# Altium PCB PCB5.PcbDoc (part 8 of 16)
Units mil, origin at the board's own origin, x right, y up, seen from the top; angles counter-clockwise.
Board outline 9210.27 x 4350.4 mil, 4 copper layers (Top Layer, Layer 1, Layer 2, Bottom Layer), stack 23.756 mil thick; 1550 components, 1731 nets, 5196 pads, 1890 vias.
Unrouted connection lines stored in the file: 2462.
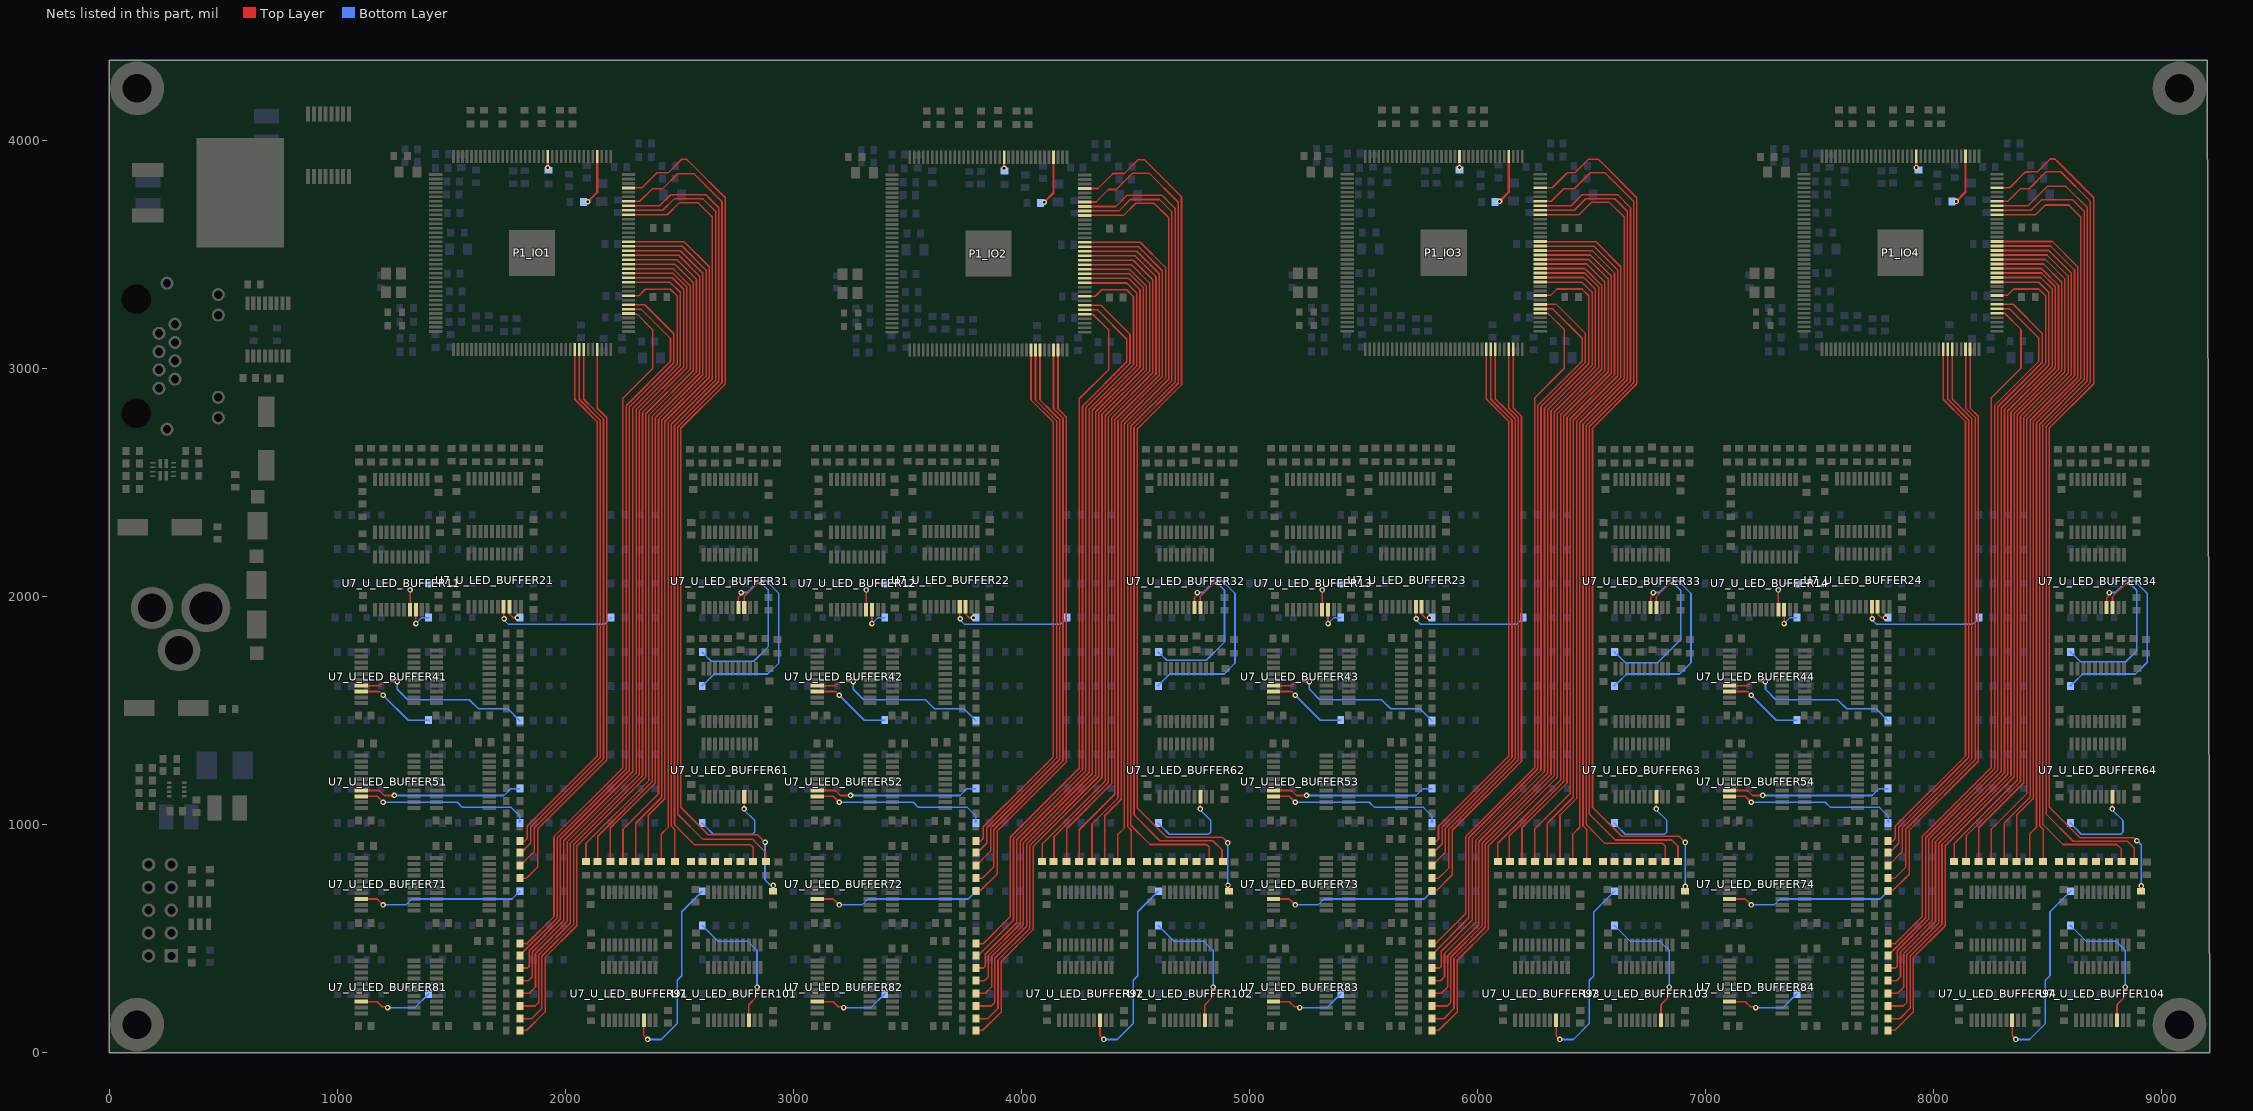
[diagram p10: the nets of this part, all layers, seen from the top]

## Via types
v1: diameter 24, hole 12, Top Layer to Bottom Layer, tented both sides, 1882 vias
v2: diameter 24, hole 12, Top Layer to Bottom Layer, 8 vias

## Nets (pads, with @x,y where several pads share a name; then routed paths per layer and width w, separated by ;. In a path a pad name is that pad's centre, name@x,y a point inside that pad or via, vN(x,y) a via of type N, cw(c..) or ccw(c..) an arc to the next point about the centre after c; other vN are vias at no path point) (continued)
GPIO_51_IO2: P1_IO2.70 R50_U_LED_BUFFER72.2 | length 2561.7
  Top Layer w7: R50_U_LED_BUFFER72.2@3800.63,709.39 3802.35,711.1 3822.03,711.1 3893.23,782.3 3893.23,970.8 4196.3,1273.86 4196.3,1419.94 4196.3,2173.67 4196.3,2786.8 4160.32,2822.78 P1_IO2.70@4160.32,3080.75
GPIO_51_IO3: P1_IO3.70 R50_U_LED_BUFFER73.2 | length 2563.9
  Top Layer w7: R50_U_LED_BUFFER73.2@5800.63,709.39 5802.35,711.1 5822.03,711.1 5889.96,779.03 5889.96,974.07 6193.2,1277.31 6193.2,1423.39 6193.2,2177.12 6193.2,2790.25 6157.22,2826.23 P1_IO3.70@6157.22,3084.2
GPIO_51_IO4: P1_IO4.70 R50_U_LED_BUFFER74.2 | length 2563.8
  Top Layer w7: R50_U_LED_BUFFER74.2@7800.63,709.39 7802.35,711.1 7822.03,711.1 7893.23,782.3 7893.23,974.5 ; 7894.23,975.5 8196.2,1277.46 8196.2,1423.54 8196.2,2177.27 8196.2,2790.4 8160.22,2826.38 P1_IO4.70@8160.22,3084.35
GPIO_52_IO1: P1_IO1.69 R51_U_LED_BUFFER71.2 | length 2510.8
  Top Layer w7: R51_U_LED_BUFFER71.2@1800.63,764.94 1830.51,764.94 1878.94,813.37 1878.94,980.01 2154.87,1255.94 ; P1_IO1.69@2139.53,3083.35 2139.53,2825.26 2154.87,2809.92 2181.2,2783.6 2181.2,2170.47 2181.2,1429.51 2181.2,1428.34 2181.2,1282.26 2154.87,1255.94
GPIO_52_IO2: P1_IO2.69 R51_U_LED_BUFFER72.2 | length 2508.7
  Top Layer w7: R51_U_LED_BUFFER72.2@3800.63,764.94 3830.51,764.94 3878.94,813.37 3878.94,976.31 4155.97,1253.34 ; P1_IO2.69@4140.63,3080.75 4140.63,2822.66 4155.97,2807.32 4182.3,2781 4182.3,2167.87 4182.3,1426.91 4182.3,1425.74 4182.3,1279.66 4155.97,1253.34
GPIO_52_IO3: P1_IO3.69 R51_U_LED_BUFFER73.2 | length 2510.8
  Top Layer w7: R51_U_LED_BUFFER73.2@5800.63,764.94 5830.51,764.94 5874.87,809.31 5874.87,978.79 6152.87,1256.79 6179.2,1283.11 6179.2,1429.18 6179.2,1430.36 6179.2,2171.32 6179.2,2784.45 6152.87,2810.77 6137.53,2826.11 P1_IO3.69@6137.53,3084.2
GPIO_52_IO4: P1_IO4.69 R51_U_LED_BUFFER74.2 | length 2510.8
  Top Layer w7: R51_U_LED_BUFFER74.2@7800.63,764.94 7830.51,764.94 7878.94,813.37 7878.94,980.01 ; 7879.94,981.01 8155.87,1256.94 ; P1_IO4.69@8140.53,3084.35 8140.53,2826.26 8155.87,2810.92 8182.2,2784.6 8182.2,2171.47 8182.2,1430.51 8182.2,1429.34 8182.2,1283.26 8155.87,1256.94
GPIO_53_IO1: P1_IO1.66 R52_U_LED_BUFFER71.2 | length 2451.5
  Top Layer w7: R52_U_LED_BUFFER71.2@1800.63,820.5 1802.07,820.5 1863.22,881.66 1863.22,984.09 2167.2,1288.06 2167.2,1434.13 2167.2,1435.31 2167.2,2164.67 2167.2,2755.69 2167.2,2777.8 2125.53,2819.47 2080.48,2864.52 P1_IO1.66@2080.48,3083.35
GPIO_53_IO2: P1_IO2.66 R52_U_LED_BUFFER72.2 | length 2449.3
  Top Layer w7: R52_U_LED_BUFFER72.2@3800.63,820.5 3802.07,820.5 3864.94,883.37 3864.94,982.11 3878.94,996.11 4168.3,1285.46 4168.3,1431.53 4168.3,1432.71 4168.3,2162.07 4168.3,2753.09 4168.3,2775.2 4126.63,2816.86 4081.58,2861.92 P1_IO2.66@4081.58,3080.75
GPIO_53_IO3: P1_IO3.66 R52_U_LED_BUFFER73.2 | length 2451.5
  Top Layer w7: R52_U_LED_BUFFER73.2@5800.63,820.5 5802.07,820.5 5859.38,877.82 5859.38,983.1 6165.2,1288.91 6165.2,1434.98 6165.2,1436.16 6165.2,2165.52 6165.2,2756.54 6165.2,2778.65 6123.53,2820.31 6078.48,2865.37 P1_IO3.66@6078.48,3084.2
GPIO_53_IO4: P1_IO4.66 R52_U_LED_BUFFER74.2 | length 2451.5
  Top Layer w7: R52_U_LED_BUFFER74.2@7800.63,820.5 7802.07,820.5 7863.22,881.66 7863.22,984.09 ; 7864.22,985.09 8168.2,1289.06 8168.2,1435.13 8168.2,1436.31 8168.2,2165.67 8168.2,2756.69 8168.2,2778.8 8126.53,2820.47 8081.48,2865.52 P1_IO4.66@8081.48,3084.35
GPIO_54_IO1: P1_IO1.65 R53_U_LED_BUFFER71.2 | length 2395
  Top Layer w7: R53_U_LED_BUFFER71.2@1800.63,876.05 1806.4,876.05 1847.51,917.16 1847.51,988.17 2153.2,1293.86 2153.2,1439.93 2153.2,1441.11 2153.2,2158.87 2153.2,2772 2060.79,2864.41 P1_IO1.65@2060.79,3083.35
GPIO_54_IO2: P1_IO2.65 R53_U_LED_BUFFER72.2 | length 2392.8
  Top Layer w7: R53_U_LED_BUFFER72.2@3800.63,876.05 3806.4,876.05 3847.51,917.16 3847.51,984.47 4154.3,1291.26 4154.3,1437.33 4154.3,1438.51 4154.3,2156.27 4154.3,2769.4 4061.89,2861.81 P1_IO2.65@4061.89,3080.75
GPIO_54_IO3: P1_IO3.65 R53_U_LED_BUFFER73.2 | length 2395
  Top Layer w7: R53_U_LED_BUFFER73.2@5800.63,876.05 5806.4,876.05 5845.38,915.04 5845.38,988.9 5845.53,989.04 5847.56,991.08 6151.2,1294.71 6151.2,1440.78 6151.2,1441.96 6151.2,2159.72 6151.2,2772.85 6058.79,2865.26 P1_IO3.65@6058.79,3084.2
GPIO_54_IO4: P1_IO4.65 R53_U_LED_BUFFER74.2 | length 2395
  Top Layer w7: R53_U_LED_BUFFER74.2@7800.63,876.05 7806.4,876.05 7847.51,917.16 7847.51,988.17 ; 7848.51,989.17 8154.2,1294.86 8154.2,1440.93 8154.2,1442.11 8154.2,2159.87 8154.2,2773 8061.79,2865.41 P1_IO4.65@8061.79,3084.35
GPIO_55_IO1: P1_IO1.64 R54_U_LED_BUFFER71.2 | length 2348.8
  Top Layer w7: R54_U_LED_BUFFER71.2@1800.63,927.16 1820.73,927.16 1832.51,938.94 1832.51,992.97 2139.2,1299.66 2139.2,1445.73 2139.2,1446.91 2139.2,2153.07 2139.2,2754.28 2139.2,2766.2 2041.11,2864.29 P1_IO1.64@2041.11,3083.35
GPIO_55_IO2: P1_IO2.64 R54_U_LED_BUFFER72.2 | length 2346.7
  Top Layer w7: R54_U_LED_BUFFER72.2@3800.63,927.16 3820.73,927.16 3833.26,939.69 3833.26,990.02 4042,1198.76 4140.3,1297.06 4140.3,1443.13 4140.3,1444.31 4140.3,2150.47 4140.3,2751.68 4140.3,2763.6 4042.21,2861.69 P1_IO2.64@4042.21,3080.75
GPIO_55_IO3: P1_IO3.64 R54_U_LED_BUFFER73.2 | length 2348.9
  Top Layer w7: R54_U_LED_BUFFER73.2@5800.63,927.16 5820.73,927.16 5829.22,935.65 5829.22,992.53 5834.11,997.43 6137.2,1300.51 6137.2,1446.58 6137.2,1447.76 6137.2,2153.92 6137.2,2755.13 6137.2,2767.05 6039.11,2865.14 P1_IO3.64@6039.11,3084.2
GPIO_55_IO4: P1_IO4.64 R54_U_LED_BUFFER74.2 | length 2348.8
  Top Layer w7: R54_U_LED_BUFFER74.2@7800.63,927.16 7820.73,927.16 7832.51,938.94 7832.51,992.97 ; 7833.51,993.97 8140.2,1300.66 8140.2,1446.73 8140.2,1447.91 8140.2,2154.07 8140.2,2755.28 8140.2,2767.2 8042.11,2865.29 P1_IO4.64@8042.11,3084.35
GPIO_56_IO1: P1_IO1.87 R47_U_LED_BUFFER81.2 | length 3893.4
  Top Layer w7: R47_U_LED_BUFFER81.2@1800.63,97.16 1830.63,97.16 1911.22,177.75 1911.22,416.58 2050.08,555.44 2050.08,905.44 2352.46,1207.81 2352.46,2801.12 2546.97,2995.63 2546.97,3362.96 2478.41,3431.53 2472.73,3437.21 P1_IO1.87@2276.85,3437.21
GPIO_56_IO2: P1_IO2.87 R47_U_LED_BUFFER82.2 | length 3891.2
  Top Layer w7: R47_U_LED_BUFFER82.2@3800.63,97.16 3830.63,97.16 3911.22,177.75 3911.22,399.41 4051.18,539.37 4051.18,902.84 4353.56,1205.21 4353.56,2798.52 4548.07,2993.03 4548.07,3360.36 4479.51,3428.93 4473.83,3434.61 P1_IO2.87@4277.95,3434.61
GPIO_56_IO3: P1_IO3.87 R47_U_LED_BUFFER83.2 | length 3893.4
  Top Layer w7: R47_U_LED_BUFFER83.2@5800.63,97.16 5830.63,97.16 5911.22,177.75 5911.22,404.92 6048.08,541.79 6048.08,906.29 6350.46,1208.66 6350.46,2801.97 6544.97,2996.48 6544.97,3363.81 6476.41,3432.38 6470.73,3438.06 P1_IO3.87@6274.85,3438.06
GPIO_56_IO4: P1_IO4.87 R47_U_LED_BUFFER84.2 | length 3893.4
  Top Layer w7: R47_U_LED_BUFFER84.2@7800.63,97.16 7830.63,97.16 7911.22,177.75 7911.22,416.58 ; 7912.22,417.58 8051.08,556.44 8051.08,906.44 8353.46,1208.81 8353.46,2802.12 8547.97,2996.63 8547.97,3363.96 8479.41,3432.53 8473.73,3438.21 P1_IO4.87@8277.85,3438.21
GPIO_57_IO1: P1_IO1.86 R48_U_LED_BUFFER81.2 | length 3823.3
  Top Layer w7: R48_U_LED_BUFFER81.2@1800.63,148.28 1851.74,148.28 1897.22,193.75 1897.22,422.38 1901.32,426.48 2036.08,561.24 2036.08,911.24 2338.46,1213.61 2338.46,2806.92 2532.97,3001.43 2532.97,3357.16 2472.61,3417.53 P1_IO1.86@2276.85,3417.53
GPIO_57_IO2: P1_IO2.86 R48_U_LED_BUFFER82.2 | length 3821.2
  Top Layer w7: R48_U_LED_BUFFER82.2@3800.63,148.28 3851.74,148.28 3897.22,193.75 3897.22,400.35 3897.22,405.21 4037.18,545.17 4037.18,908.64 4339.56,1211.01 4339.56,2804.32 4534.07,2998.83 4534.07,3354.56 4473.71,3414.93 P1_IO2.86@4277.95,3414.93
GPIO_57_IO3: P1_IO3.86 R48_U_LED_BUFFER83.2 | length 3823.3
  Top Layer w7: R48_U_LED_BUFFER83.2@5800.63,148.28 5851.74,148.28 5897.22,193.75 5897.22,412.38 6034.08,549.24 6034.08,912.09 6336.46,1214.46 6336.46,2807.77 6530.97,3002.28 6530.97,3358.01 6470.61,3418.38 P1_IO3.86@6274.85,3418.38
GPIO_57_IO4: P1_IO4.86 R48_U_LED_BUFFER84.2 | length 3823.3
  Top Layer w7: R48_U_LED_BUFFER84.2@7800.63,148.28 7851.74,148.28 7897.22,193.75 7897.22,422.38 7901.32,426.48 ; 7902.32,427.48 8037.08,562.24 8037.08,912.24 8339.46,1214.61 8339.46,2807.92 8533.97,3002.43 8533.97,3358.16 8473.61,3418.53 P1_IO4.86@8277.85,3418.53
GPIO_58_IO1: P1_IO1.85 R49_U_LED_BUFFER81.2 | length 3743
  Top Layer w7: R49_U_LED_BUFFER81.2@1800.63,203.83 1867.3,203.83 1883.22,219.75 1883.22,428.17 1887.32,432.27 1891.42,436.38 2022.08,567.04 2022.08,917.04 2324.46,1219.41 2324.46,2812.72 2518.97,3007.23 2518.97,3347.16 2468.3,3397.84 P1_IO1.85@2276.85,3397.84
GPIO_58_IO2: P1_IO2.85 R49_U_LED_BUFFER82.2 | length 3740.9
  Top Layer w7: R49_U_LED_BUFFER82.2@3800.63,203.83 3867.3,203.83 3883.22,219.75 3883.22,413.88 4023.18,553.84 4023.18,914.44 4325.56,1216.81 4325.56,2810.12 4520.07,3004.63 4520.07,3344.56 4469.4,3395.24 P1_IO2.85@4277.95,3395.24
GPIO_58_IO3: P1_IO3.85 R49_U_LED_BUFFER83.2 | length 3740.7
  Top Layer w7: R49_U_LED_BUFFER83.2@5800.63,203.83 5867.3,203.83 5883.22,219.75 5883.22,418.18 6020.08,555.04 6020.08,565.57 ; 6020.08,567.89 6020.08,917.89 6322.46,1220.26 6322.46,2813.57 6516.97,3008.08 6516.97,3348.01 6466.3,3398.69 P1_IO3.85@6274.85,3398.69
GPIO_58_IO4: P1_IO4.85 R49_U_LED_BUFFER84.2 | length 3743
  Top Layer w7: R49_U_LED_BUFFER84.2@7800.63,203.83 7867.3,203.83 7883.22,219.75 7883.22,428.17 7887.32,432.27 7891.42,436.38 ; 7892.42,437.38 8023.08,568.04 8023.08,918.04 8325.46,1220.41 8325.46,2813.72 8519.97,3008.23 8519.97,3348.16 8469.3,3398.84 P1_IO4.85@8277.85,3398.84
GPIO_59_IO1: P1_IO1.84 R50_U_LED_BUFFER81.2 | length 3635.5
  Top Layer w7: R50_U_LED_BUFFER81.2@1800.63,259.39 1841.44,259.39 1869.22,287.16 1869.22,433.97 1873.32,438.07 1877.42,442.17 1881.26,446.01 1881.26,446.54 2007.71,572.99 2007.71,922.99 2310.08,1225.37 2310.08,2818.67 2504.44,3013.03 2504.44,3333.35 2460.63,3377.16 2277.85,3377.16 P1_IO1.84@2276.85,3378.16
GPIO_59_IO2: P1_IO2.84 R50_U_LED_BUFFER82.2 | length 3633.4
  Top Layer w7: R50_U_LED_BUFFER82.2@3800.63,259.39 3841.44,259.39 3869.22,287.16 3869.22,415.79 3869.22,419.68 4008.81,559.27 4008.81,920.39 4311.18,1222.77 4311.18,2816.07 4505.54,3010.43 4505.54,3330.75 4461.73,3374.56 4278.95,3374.56 P1_IO2.84@4277.95,3375.56
GPIO_59_IO3: P1_IO3.84 R50_U_LED_BUFFER83.2 | length 3635.6
  Top Layer w7: R50_U_LED_BUFFER83.2@5800.63,259.39 5841.44,259.39 5869.22,287.16 5869.22,423.98 6005.71,560.47 6005.71,923.84 6308.08,1226.22 6308.08,2819.52 6502.44,3013.88 6502.44,3334.2 6458.63,3378.01 6275.85,3378.01 P1_IO3.84@6274.85,3379.01
GPIO_59_IO4: P1_IO4.84 R50_U_LED_BUFFER84.2 | length 3635.5
  Top Layer w7: R50_U_LED_BUFFER84.2@7800.63,259.39 7841.44,259.39 7869.22,287.16 7869.22,433.97 7873.32,438.07 7877.42,442.17 7881.26,446.01 7881.26,446.54 8007.71,572.99 ; 8008.71,573.99 8008.71,923.99 8311.08,1226.37 8311.08,2819.67 8505.44,3014.03 8505.44,3334.35 8461.63,3378.16 8278.85,3378.16 P1_IO4.84@8277.85,3379.16
GPIO_60_IO1: P1_IO1.81 R51_U_LED_BUFFER81.2 | length 3547.7
  Top Layer w7: R51_U_LED_BUFFER81.2@1800.63,314.94 1838.41,314.94 1855.22,331.75 1855.22,439.77 1859.32,443.87 1863.42,447.97 1867.26,451.81 1867.26,452.34 1871.21,456.29 1871.21,456.58 1993.5,578.88 1993.5,928.88 2295.88,1231.25 2295.88,2824.55 2490.4,3019.07 2490.4,3317.16 2460.4,3347.16 2350.63,3347.16 2322.57,3319.1 P1_IO1.81@2276.85,3319.1
GPIO_60_IO2: P1_IO2.81 R51_U_LED_BUFFER82.2 | length 3545.5
  Top Layer w7: R51_U_LED_BUFFER82.2@3800.63,314.94 3838.41,314.94 3855.22,331.75 3855.22,410.4 3855.22,425.48 3994.6,564.86 3994.6,926.28 4296.98,1228.65 4296.98,2821.95 4491.5,3016.47 4491.5,3314.56 4461.5,3344.56 4351.73,3344.56 4323.67,3316.5 P1_IO2.81@4277.95,3316.5
GPIO_60_IO3: P1_IO3.81 R51_U_LED_BUFFER83.2 | length 3547.7
  Top Layer w7: R51_U_LED_BUFFER83.2@5800.63,314.94 5838.41,314.94 5855.22,331.75 5855.22,433.9 5991.71,570.39 5991.71,577.53 5991.62,578.43 5991.62,929.85 6293.88,1232.1 6293.88,2825.4 6488.4,3019.92 6488.4,3318.01 6458.4,3348.01 6348.63,3348.01 6320.57,3319.95 P1_IO3.81@6274.85,3319.95
GPIO_60_IO4: P1_IO4.81 R51_U_LED_BUFFER84.2 | length 3547.7
  Top Layer w7: R51_U_LED_BUFFER84.2@7800.63,314.94 7838.41,314.94 7855.22,331.75 7855.22,439.77 7859.32,443.87 7863.42,447.97 7867.26,451.81 7867.26,452.34 7871.21,456.29 7871.21,456.58 7993.5,578.88 ; 7994.5,579.88 7994.5,929.88 8296.88,1232.25 8296.88,2825.55 8491.4,3020.07 8491.4,3318.16 8461.4,3348.16 8351.63,3348.16 8323.57,3320.1 P1_IO4.81@8277.85,3320.1
GPIO_61_IO1: P1_IO1.79 R52_U_LED_BUFFER81.2 | length 3332.1
  Top Layer w7: R52_U_LED_BUFFER81.2@1800.63,370.5 1833.97,370.5 1841.22,377.75 1841.22,446.84 1978.26,583.88 1978.26,589.85 1978.26,935.19 2280.63,1237.57 2280.63,2830.87 2475.15,3025.39 2475.15,3138.94 ; P1_IO1.79@2276.85,3279.73 2348.06,3279.73 2475.31,3152.49 2475.31,3138.94
GPIO_61_IO2: P1_IO2.79 R52_U_LED_BUFFER82.2 | length 3329.9
  Top Layer w7: R52_U_LED_BUFFER82.2@3800.63,370.5 3833.97,370.5 3841.22,377.75 3841.22,415.32 3841.22,431.28 3979.36,569.41 3979.36,932.59 4281.73,1234.97 4281.73,2828.27 4476.25,3022.79 4476.25,3136.34 ; P1_IO2.79@4277.95,3277.13 4349.16,3277.13 4476.41,3149.89 4476.41,3136.34
GPIO_61_IO3: P1_IO3.79 R52_U_LED_BUFFER83.2 | length 3332.1
  Top Layer w7: R52_U_LED_BUFFER83.2@5800.63,370.5 5833.97,370.5 5841.22,377.75 5841.22,444.52 5976.26,579.55 5976.26,936.04 6278.63,1238.42 6278.63,2831.72 6473.15,3026.24 6473.15,3139.79 ; P1_IO3.79@6274.85,3280.58 6346.06,3280.58 6473.31,3153.34 6473.31,3139.79
GPIO_61_IO4: P1_IO4.79 R52_U_LED_BUFFER84.2 | length 3332.1
  Top Layer w7: R52_U_LED_BUFFER84.2@7800.63,370.5 7833.97,370.5 7841.22,377.75 7841.22,446.84 7978.26,583.88 ; 7979.26,584.88 7979.26,590.85 7979.26,936.19 8281.63,1238.57 8281.63,2831.87 8476.15,3026.39 8476.15,3139.94 ; P1_IO4.79@8277.85,3280.73 8349.06,3280.73 8476.31,3153.49 8476.31,3139.94
GPIO_62_IO1: P1_IO1.78 R53_U_LED_BUFFER81.2 | length 3216.3
  Top Layer w7: R53_U_LED_BUFFER81.2@1800.63,426.05 1964.26,589.68 1964.26,940.99 2266.63,1243.37 2266.63,2836.67 2461.15,3031.19 2461.15,3131.03 2332.13,3260.05 P1_IO1.78@2276.85,3260.05
GPIO_62_IO2: P1_IO2.78 R53_U_LED_BUFFER82.2 | length 3220.8
  Top Layer w7: R53_U_LED_BUFFER82.2@3800.63,426.05 3811.95,426.05 3965.36,579.46 3965.36,938.39 4267.73,1240.77 4267.73,2834.07 4462.25,3028.59 4462.25,3128.43 4333.23,3257.45 P1_IO2.78@4277.95,3257.45
GPIO_62_IO3: P1_IO3.78 R53_U_LED_BUFFER83.2 | length 3216.3
  Top Layer w7: R53_U_LED_BUFFER83.2@5798.63,426.9 5962.26,590.53 5962.26,941.84 6264.63,1244.22 6264.63,2837.52 6459.15,3032.03 6459.15,3131.88 6330.13,3260.9 P1_IO3.78@6274.85,3260.9
GPIO_62_IO4: P1_IO4.78 R53_U_LED_BUFFER84.2 | length 3216.3
  Top Layer w7: R53_U_LED_BUFFER84.2@7801.63,427.05 7965.26,590.68 7965.26,941.99 8267.63,1244.37 8267.63,2837.67 8462.15,3032.19 8462.15,3132.03 8333.13,3261.05 P1_IO4.78@8277.85,3261.05
GPIO_63_IO1: P1_IO1.77 R54_U_LED_BUFFER81.2 | length 3086
  Top Layer w7: R54_U_LED_BUFFER81.2@1800.63,477.16 1830.63,477.16 1950.26,596.79 1950.26,946.79 2252.63,1249.16 2252.63,2868.97 2378.56,2994.9 2382.63,2998.97 2382.63,3169.34 2311.61,3240.36 P1_IO1.77@2276.85,3240.36
GPIO_63_IO2: P1_IO2.77 R54_U_LED_BUFFER82.2 | length 3084.7
  Top Layer w7: R54_U_LED_BUFFER82.2@3800.63,477.16 3832.09,477.16 3951.36,596.43 3951.36,944.19 4253.73,1246.56 4253.73,2866.37 4379.66,2992.3 4383.73,2996.37 4383.73,3166.74 4312.71,3237.76 P1_IO2.77@4277.95,3237.76
GPIO_63_IO3: P1_IO3.77 R54_U_LED_BUFFER83.2 | length 3077.4
  Top Layer w7: R54_U_LED_BUFFER83.2@5800.63,477.16 5815.84,477.16 5948.26,609.58 5948.26,947.64 6250.63,1250.01 6250.63,2869.82 6376.56,2995.75 6380.63,2999.82 6380.63,3170.19 6309.61,3241.21 P1_IO3.77@6274.85,3241.21
GPIO_63_IO4: P1_IO4.77 R54_U_LED_BUFFER84.2 | length 3086
  Top Layer w7: R54_U_LED_BUFFER84.2@7800.63,477.16 7830.63,477.16 ; 7831.63,478.16 7951.26,597.79 7951.26,947.79 8253.63,1250.16 8253.63,2869.97 8379.56,2995.9 8383.63,2999.97 8383.63,3170.34 8312.61,3241.36 P1_IO4.77@8277.85,3241.36
GPIO_64_IO1: P1_IO1.100 R47_U_LED_BUFFER91.2 | length 3364.1
  Top Layer w7: P1_IO1.100@2276.85,3693.12 2426.58,3693.12 2476.73,3743.26 2604.13,3743.26 2659.05,3688.34 2659.05,2949.21 2464.53,2754.7 2464.53,993.26 2480.63,977.16 R47_U_LED_BUFFER91.2@2480.63,837.16
GPIO_64_IO2: P1_IO2.100 R47_U_LED_BUFFER92.2 | length 3364.1
  Top Layer w7: P1_IO2.100@4277.95,3690.52 4427.68,3690.52 4477.83,3740.66 4605.23,3740.66 4660.15,3685.74 4660.15,2946.61 4465.63,2752.1 4465.63,990.66 4481.73,974.56 R47_U_LED_BUFFER92.2@4481.73,834.56
GPIO_64_IO3: P1_IO3.100 R47_U_LED_BUFFER93.2 | length 3364.1
  Top Layer w7: P1_IO3.100@6274.85,3693.97 6424.58,3693.97 6474.73,3744.11 6602.13,3744.11 6657.05,3689.19 6657.05,2950.06 6462.53,2755.54 6462.53,994.11 6478.63,978.01 R47_U_LED_BUFFER93.2@6478.63,838.01
GPIO_64_IO4: P1_IO4.100 R47_U_LED_BUFFER94.2 | length 3359.7
  Top Layer w7: P1_IO4.100@8277.85,3694.12 8427.58,3694.12 8472.43,3738.96 8610.43,3738.96 8660.05,3689.34 8660.05,2950.21 8465.53,2755.7 8465.53,994.26 8481.63,978.16 R47_U_LED_BUFFER94.2@8481.63,838.16
GPIO_65_IO1: P1_IO1.99 R48_U_LED_BUFFER91.2 | length 3336.1
  Top Layer w7: P1_IO1.99@2276.85,3673.43 2446.9,3673.43 2500.63,3727.16 2580.63,3727.16 2645.05,3662.75 2645.05,2955.01 2450.53,2760.49 2450.53,987.07 2420.63,957.16 2420.63,838.28 R48_U_LED_BUFFER91.2@2419.52,837.16
GPIO_65_IO2: P1_IO2.99 R48_U_LED_BUFFER92.2 | length 3336.1
  Top Layer w7: P1_IO2.99@4277.95,3670.83 4448,3670.83 4501.73,3724.56 4581.73,3724.56 4646.15,3660.15 4646.15,2952.41 4451.63,2757.89 4451.63,984.47 4421.73,954.56 4421.73,835.68 R48_U_LED_BUFFER92.2@4420.62,834.56
GPIO_65_IO3: P1_IO3.99 R48_U_LED_BUFFER93.2 | length 3336.1
  Top Layer w7: P1_IO3.99@6274.85,3674.28 6444.9,3674.28 6498.63,3728.01 6578.63,3728.01 6643.05,3663.59 6643.05,2955.86 6448.53,2761.34 6448.53,987.92 6418.63,958.01 6418.63,839.13 R48_U_LED_BUFFER93.2@6417.52,838.01
GPIO_65_IO4: P1_IO4.99 R48_U_LED_BUFFER94.2 | length 3326.6
  Top Layer w7: P1_IO4.99@8277.85,3674.43 8447.9,3674.43 8490.16,3716.69 8593.1,3716.69 8646.05,3663.75 8646.05,2956.01 8451.53,2761.49 8451.53,988.07 8421.63,958.16 8421.63,839.28 R48_U_LED_BUFFER94.2@8420.52,838.16
GPIO_66_IO1: P1_IO1.93 R49_U_LED_BUFFER91.2 | length 3118
  Top Layer w7: P1_IO1.93@2276.85,3555.32 2520.54,3555.32 2630.54,3445.32 ; R49_U_LED_BUFFER91.2@2363.96,837.16 2363.96,1040.5 2436.53,1113.07 2436.53,2766.29 2631.05,2960.81 2631.05,3445.32
GPIO_66_IO2: P1_IO2.93 R49_U_LED_BUFFER92.2 | length 3118
  Top Layer w7: P1_IO2.93@4277.95,3552.72 4521.64,3552.72 4631.64,3442.72 ; R49_U_LED_BUFFER92.2@4365.06,834.56 4365.06,1037.9 4437.63,1110.47 4437.63,2763.69 4632.15,2958.21 4632.15,3442.72
GPIO_66_IO3: P1_IO3.93 R49_U_LED_BUFFER93.2 | length 3118
  Top Layer w7: P1_IO3.93@6274.85,3556.17 6518.54,3556.17 6628.54,3446.17 ; R49_U_LED_BUFFER93.2@6361.96,838.01 6361.96,1041.35 6434.53,1113.92 6434.53,2767.14 6629.05,2961.66 6629.05,3446.17
GPIO_66_IO4: P1_IO4.93 R49_U_LED_BUFFER94.2 | length 3118
  Top Layer w7: P1_IO4.93@8277.85,3556.32 8521.54,3556.32 8631.54,3446.32 ; R49_U_LED_BUFFER94.2@8364.96,838.16 8364.96,1041.5 8437.53,1114.07 8437.53,2767.29 8632.05,2961.81 8632.05,3446.32
GPIO_67_IO1: P1_IO1.92 R50_U_LED_BUFFER91.2 | length 3105.1
  Top Layer w7: P1_IO1.92@2276.85,3535.64 2512.16,3535.64 2617.05,3430.75 2617.05,2966.61 2422.53,2772.09 2422.53,1119.07 2308.41,1004.94 R50_U_LED_BUFFER91.2@2308.41,837.16
GPIO_67_IO2: P1_IO2.92 R50_U_LED_BUFFER92.2 | length 3105.1
  Top Layer w7: P1_IO2.92@4277.95,3533.04 4513.26,3533.04 4618.15,3428.15 4618.15,2964.01 4423.63,2769.49 4423.63,1116.47 4309.51,1002.34 R50_U_LED_BUFFER92.2@4309.51,834.56
GPIO_67_IO3: P1_IO3.92 R50_U_LED_BUFFER93.2 | length 3105.1
  Top Layer w7: P1_IO3.92@6274.85,3536.49 6510.16,3536.49 6615.05,3431.6 6615.05,2967.46 6420.53,2772.94 6420.53,1119.92 6306.41,1005.79 R50_U_LED_BUFFER93.2@6306.41,838.01
GPIO_67_IO4: P1_IO4.92 R50_U_LED_BUFFER94.2 | length 3105.1
  Top Layer w7: P1_IO4.92@8277.85,3536.64 8513.16,3536.64 8618.05,3431.75 8618.05,2967.61 8423.53,2773.09 8423.53,1120.07 8309.41,1005.94 R50_U_LED_BUFFER94.2@8309.41,838.16
GPIO_68_IO1: P1_IO1.91 R51_U_LED_BUFFER91.2 | length 3092.2
  Top Layer w7: R51_U_LED_BUFFER91.2@2252.85,837.16 2252.85,979.39 2408.53,1135.07 2408.53,2777.89 2603.05,2972.41 2603.05,3417.16 2504.26,3515.95 P1_IO1.91@2276.85,3515.95
GPIO_68_IO2: P1_IO2.91 R51_U_LED_BUFFER92.2 | length 3092.2
  Top Layer w7: R51_U_LED_BUFFER92.2@4253.95,834.56 4253.95,976.79 4409.63,1132.47 4409.63,2775.29 4604.15,2969.81 4604.15,3414.56 4505.36,3513.35 P1_IO2.91@4277.95,3513.35
GPIO_68_IO3: P1_IO3.91 R51_U_LED_BUFFER93.2 | length 3092.2
  Top Layer w7: R51_U_LED_BUFFER93.2@6250.85,838.01 6250.85,980.24 6406.53,1135.92 6406.53,2778.74 6601.05,2973.26 6601.05,3418.01 6502.26,3516.8 P1_IO3.91@6274.85,3516.8
GPIO_68_IO4: P1_IO4.91 R51_U_LED_BUFFER94.2 | length 3092.2
  Top Layer w7: R51_U_LED_BUFFER94.2@8253.85,838.16 8253.85,980.39 8409.53,1136.07 8409.53,2778.89 8604.05,2973.41 8604.05,3418.16 8505.26,3516.95 P1_IO4.91@8277.85,3516.95
GPIO_69_IO1: P1_IO1.90 R52_U_LED_BUFFER91.2 | length 3079.4
  Top Layer w7: R52_U_LED_BUFFER91.2@2197.3,837.16 2197.3,984.23 2394.46,1181.39 2394.46,2783.72 2588.97,2978.24 2588.97,3404.44 ; P1_IO1.90@2276.85,3496.27 2496.91,3496.27 2588.74,3404.44
GPIO_69_IO2: P1_IO2.90 R52_U_LED_BUFFER92.2 | length 3079.4
  Top Layer w7: R52_U_LED_BUFFER92.2@4198.4,834.56 4198.4,981.63 4395.56,1178.79 4395.56,2781.12 4590.07,2975.64 4590.07,3401.84 ; P1_IO2.90@4277.95,3493.67 4498.01,3493.67 4589.84,3401.84
GPIO_69_IO3: P1_IO3.90 R52_U_LED_BUFFER93.2 | length 3079.4